# Altium PCB LAY-94611_B.PcbDoc (part 1 of 16) (continued)
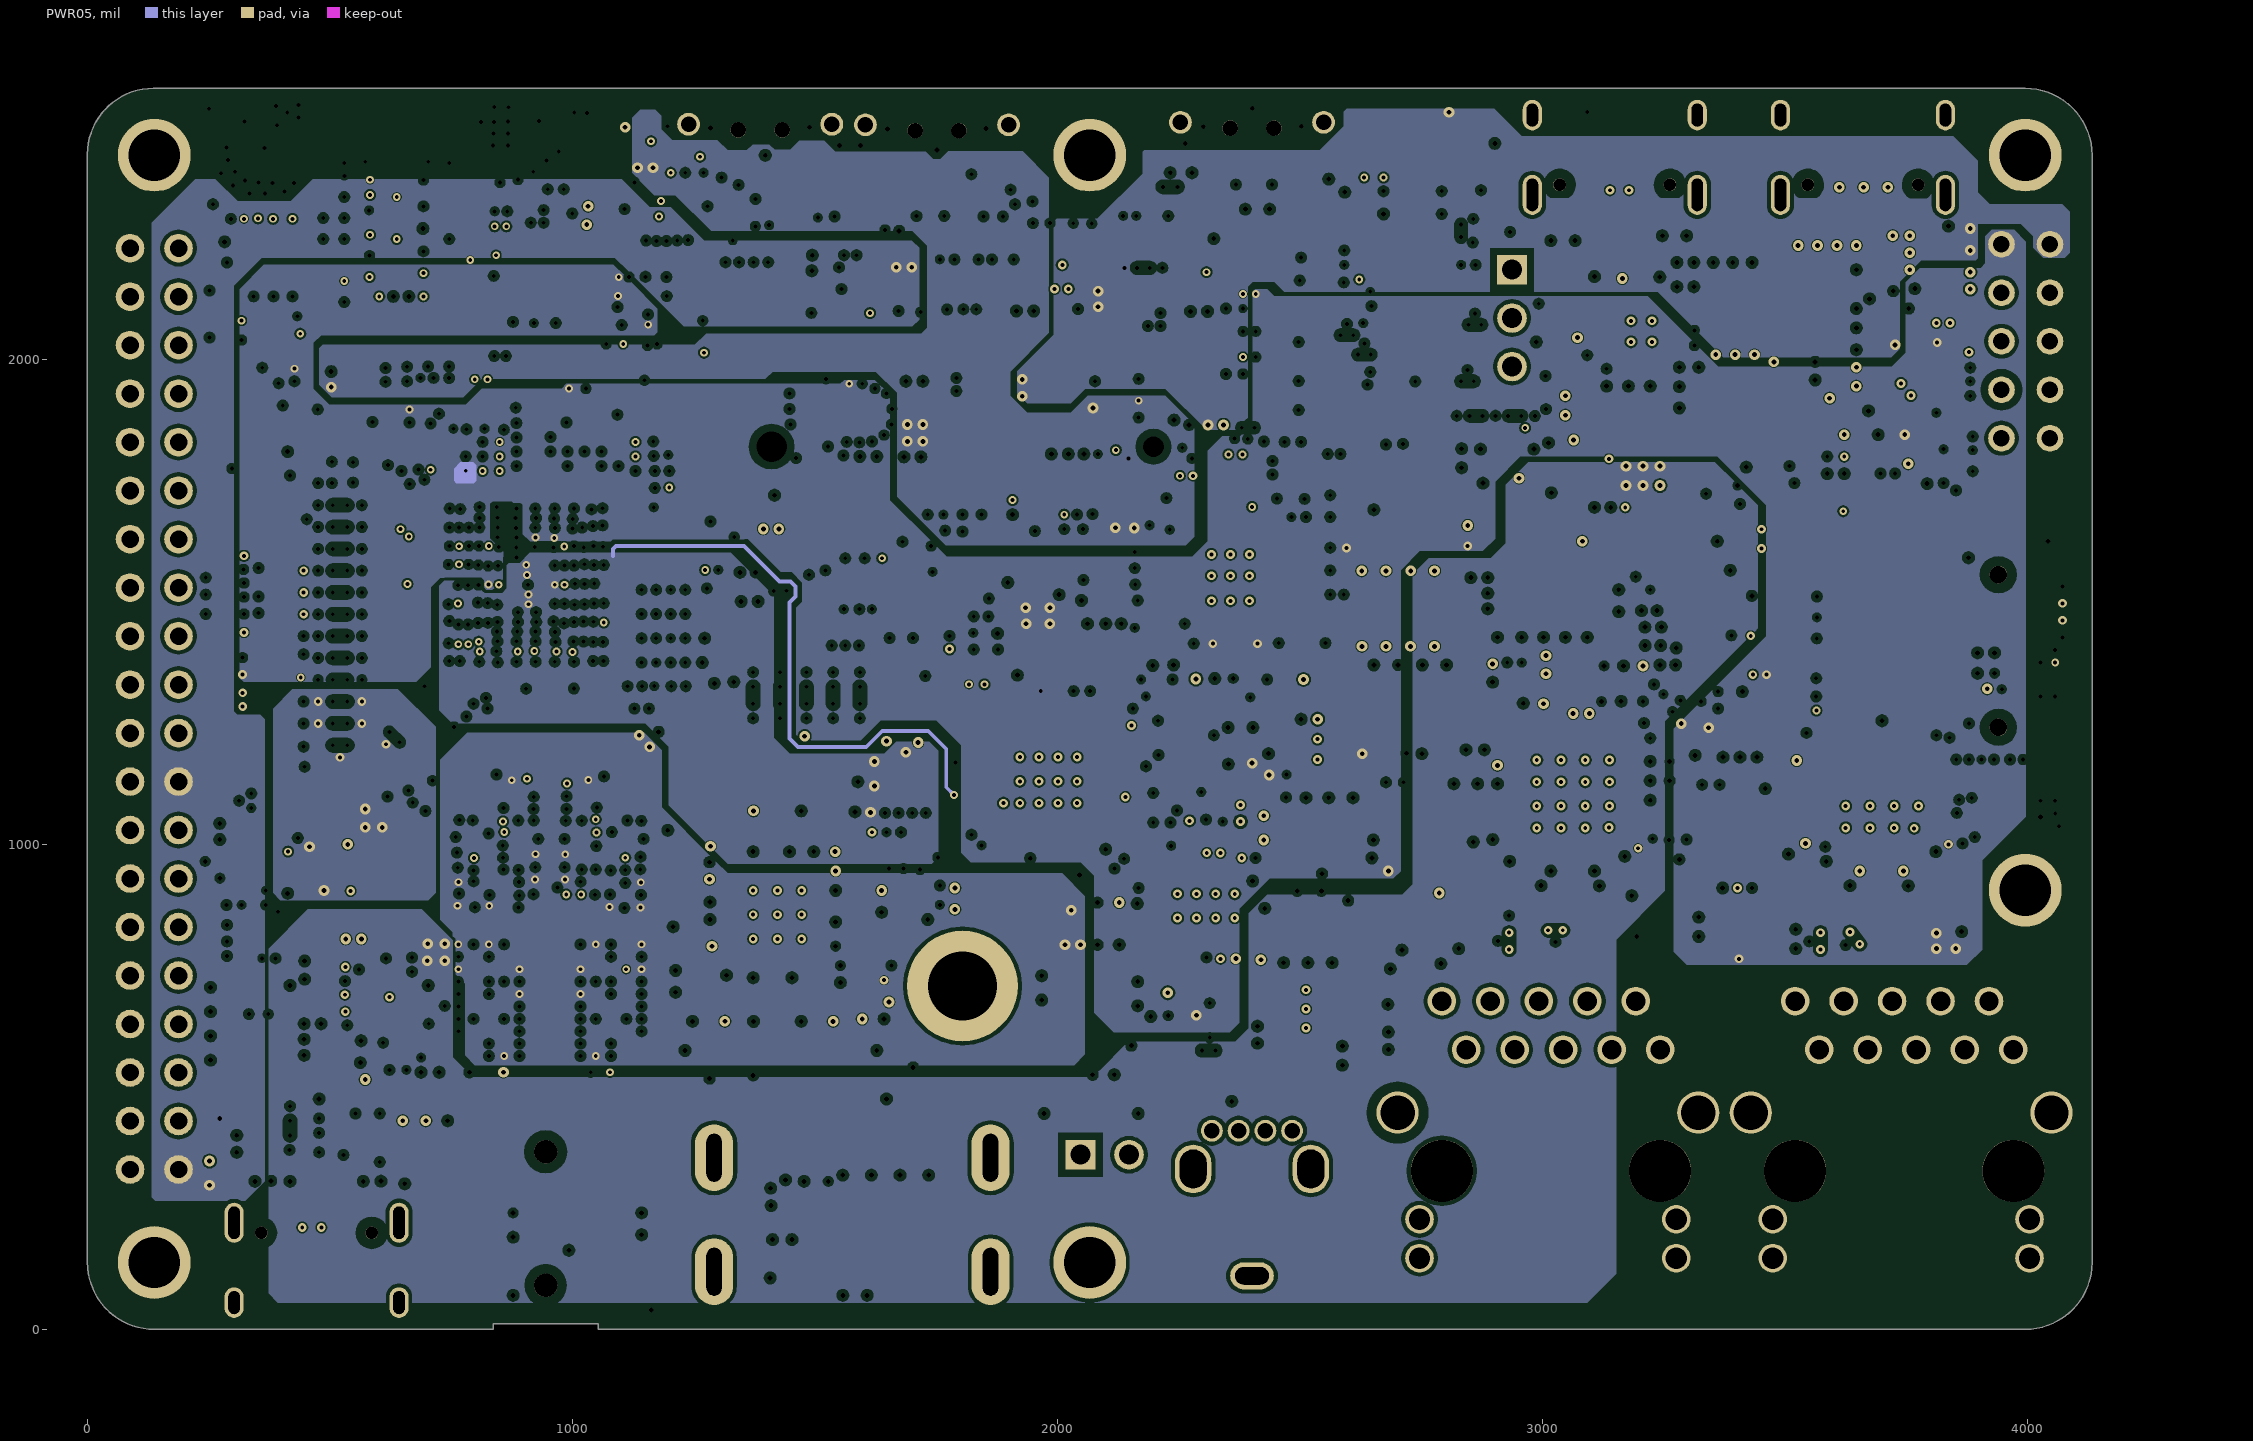
[diagram p5: PWR05]
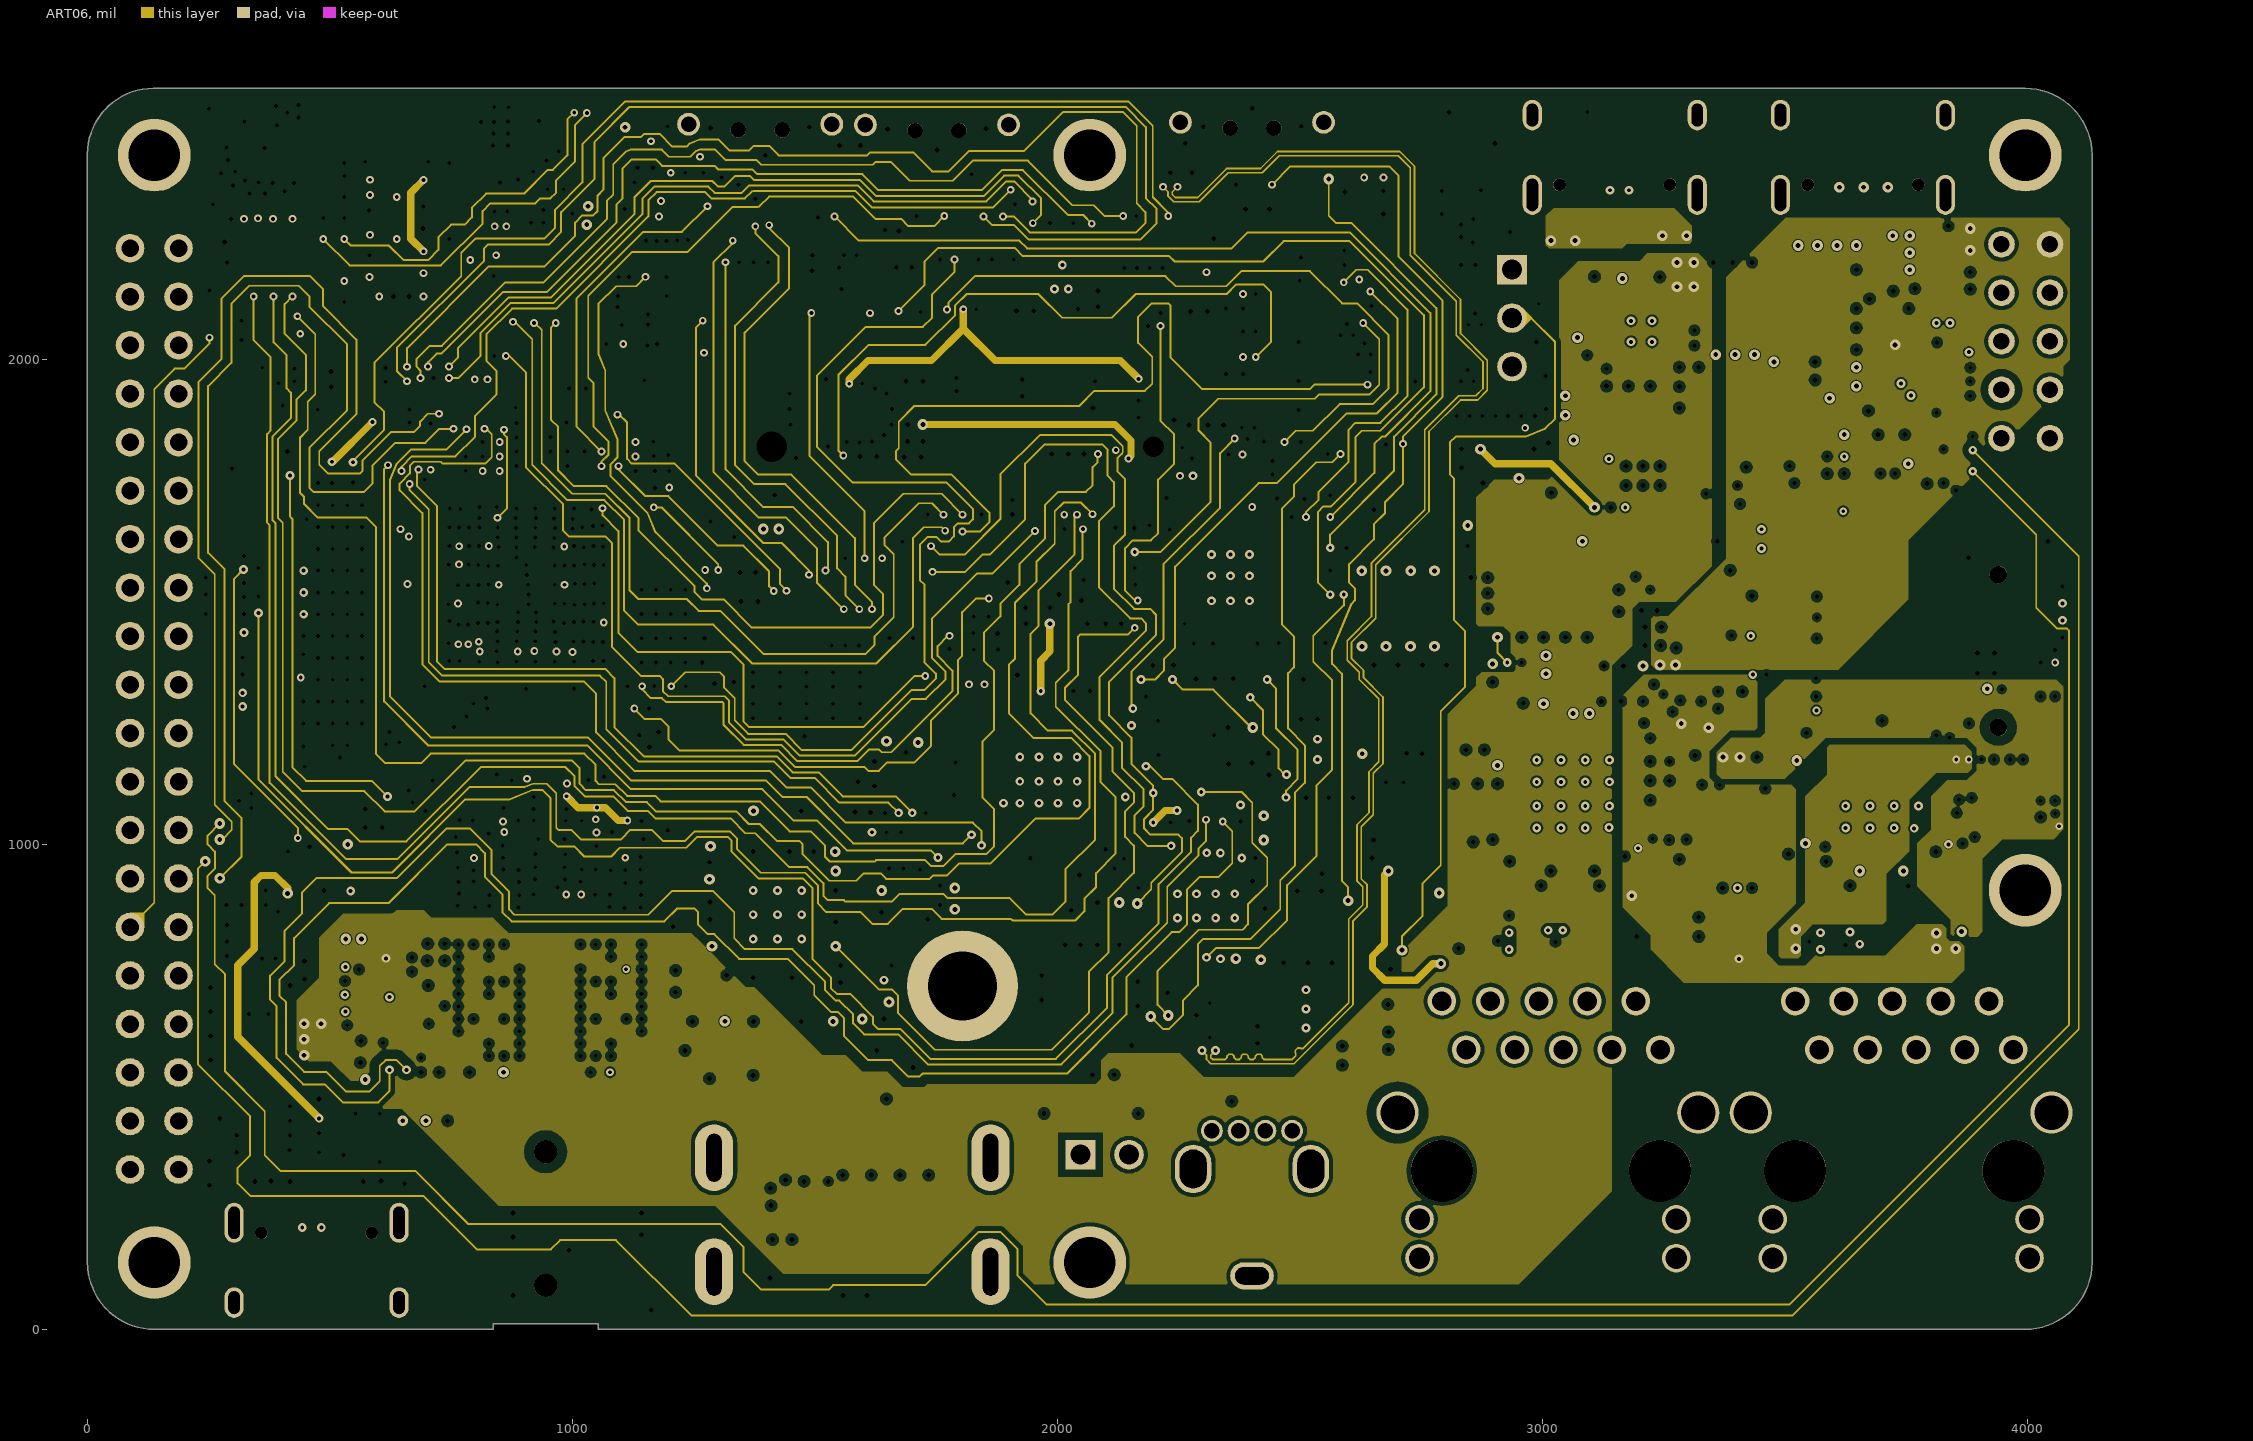
[diagram p6: ART06]
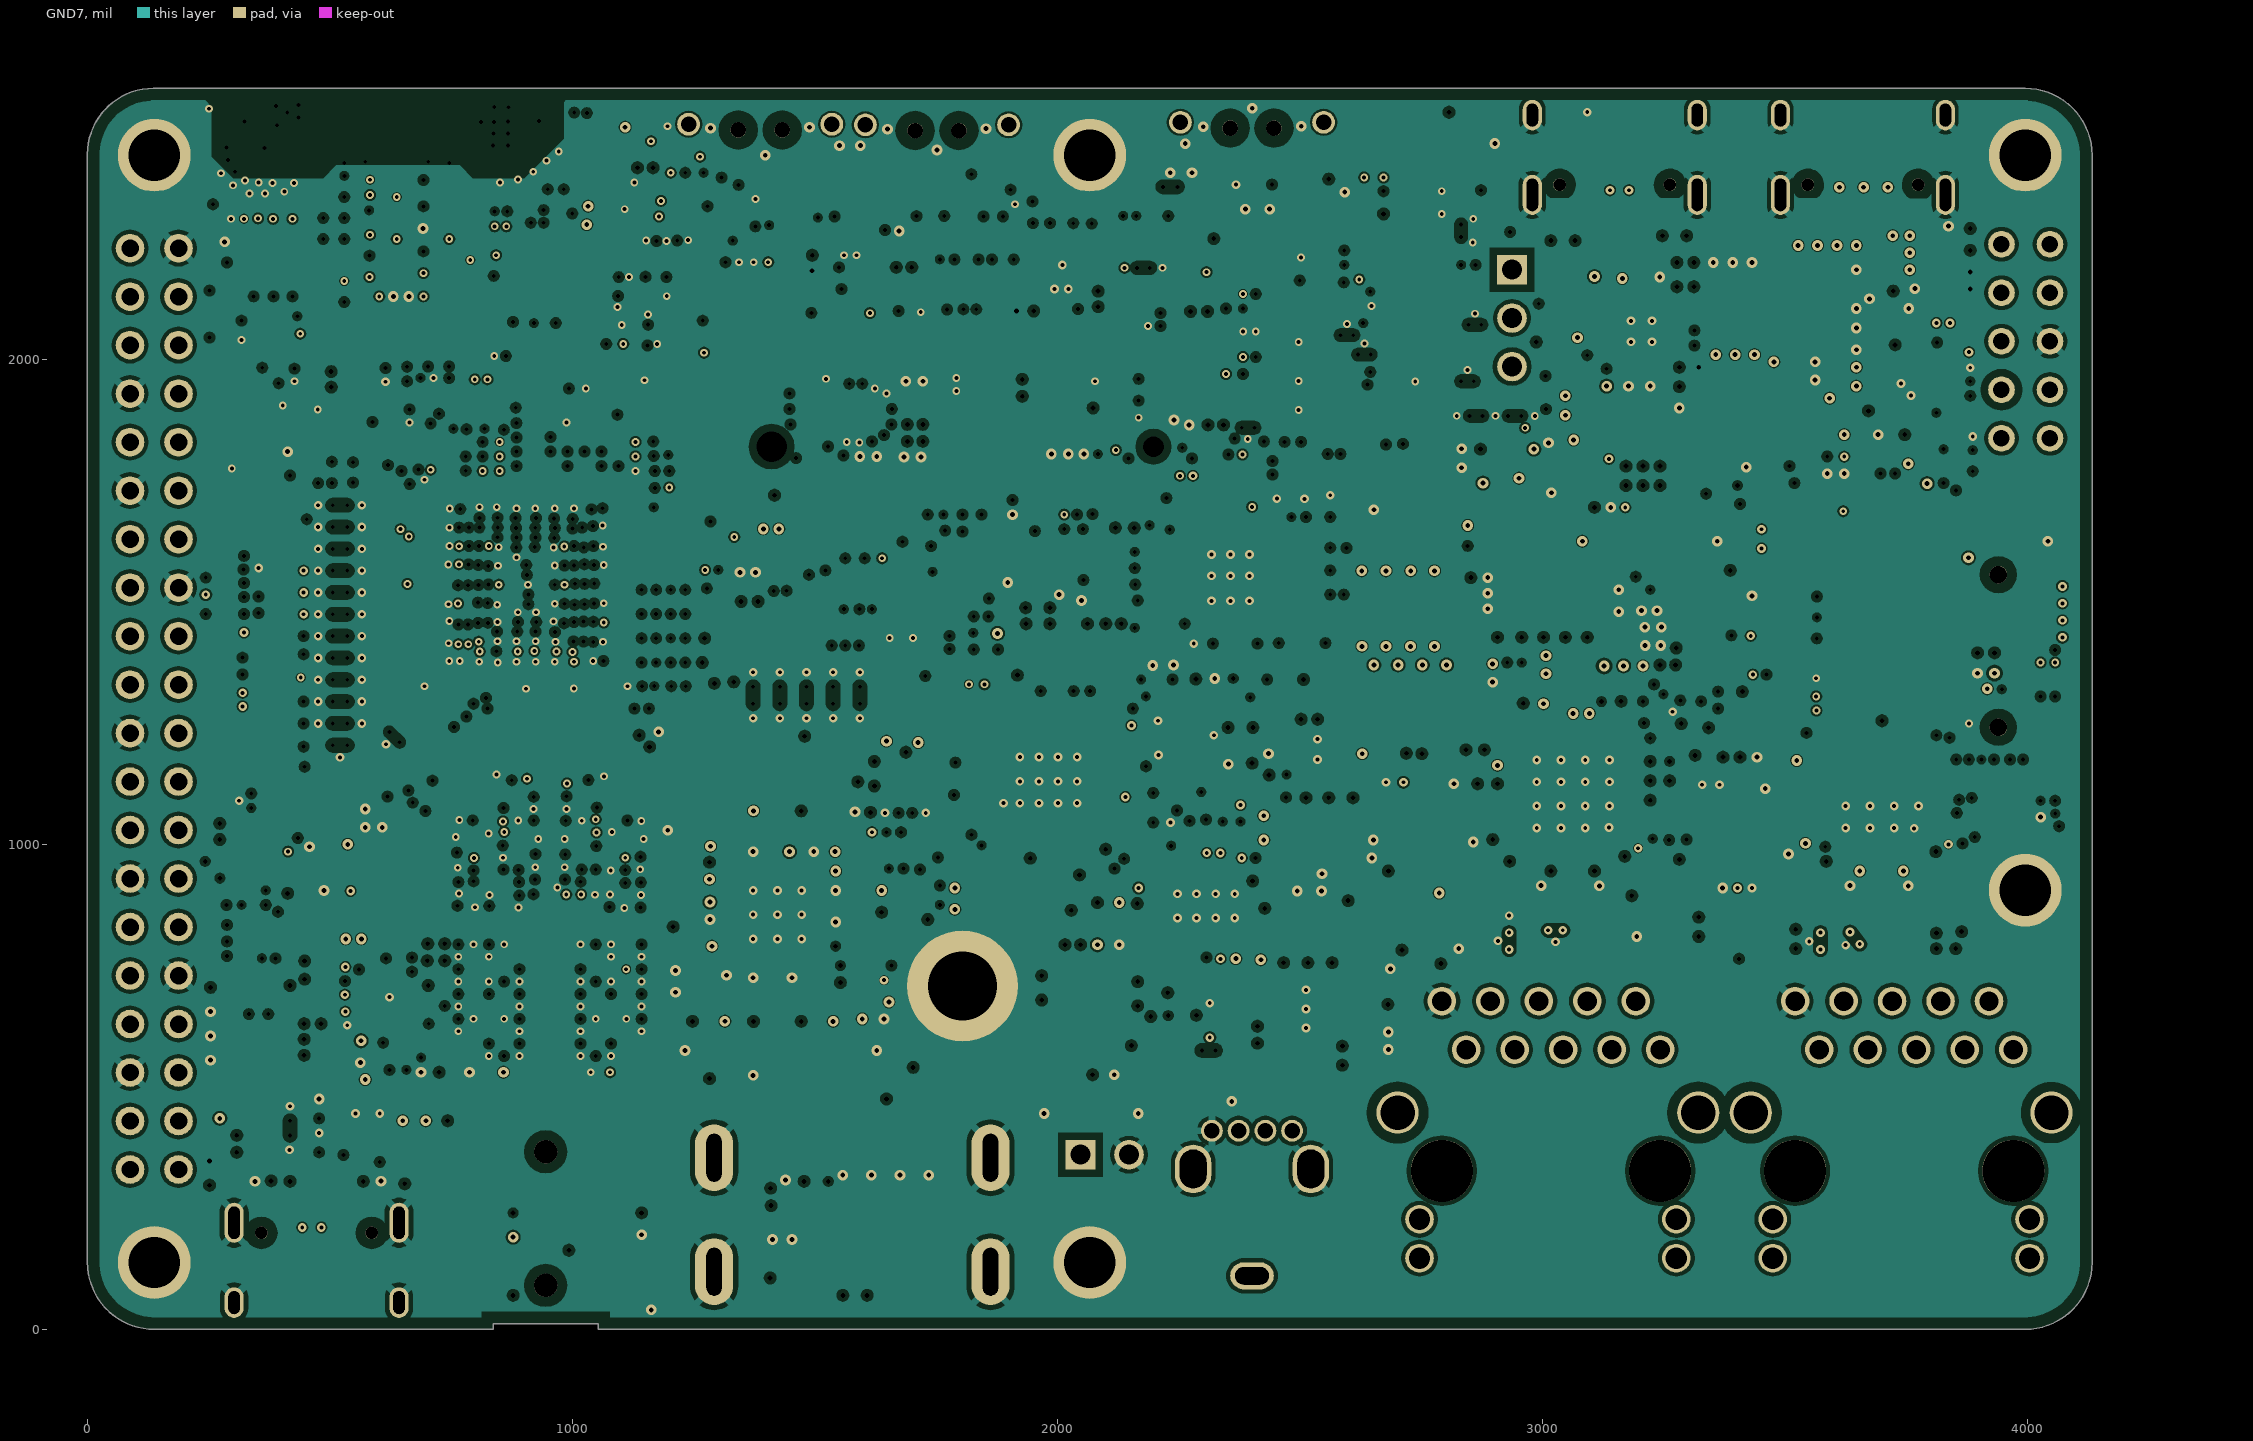
[diagram p7: GND7]